# Altium PCB GN-1846-E-V2.PcbDoc (part 3 of 8) (continued)
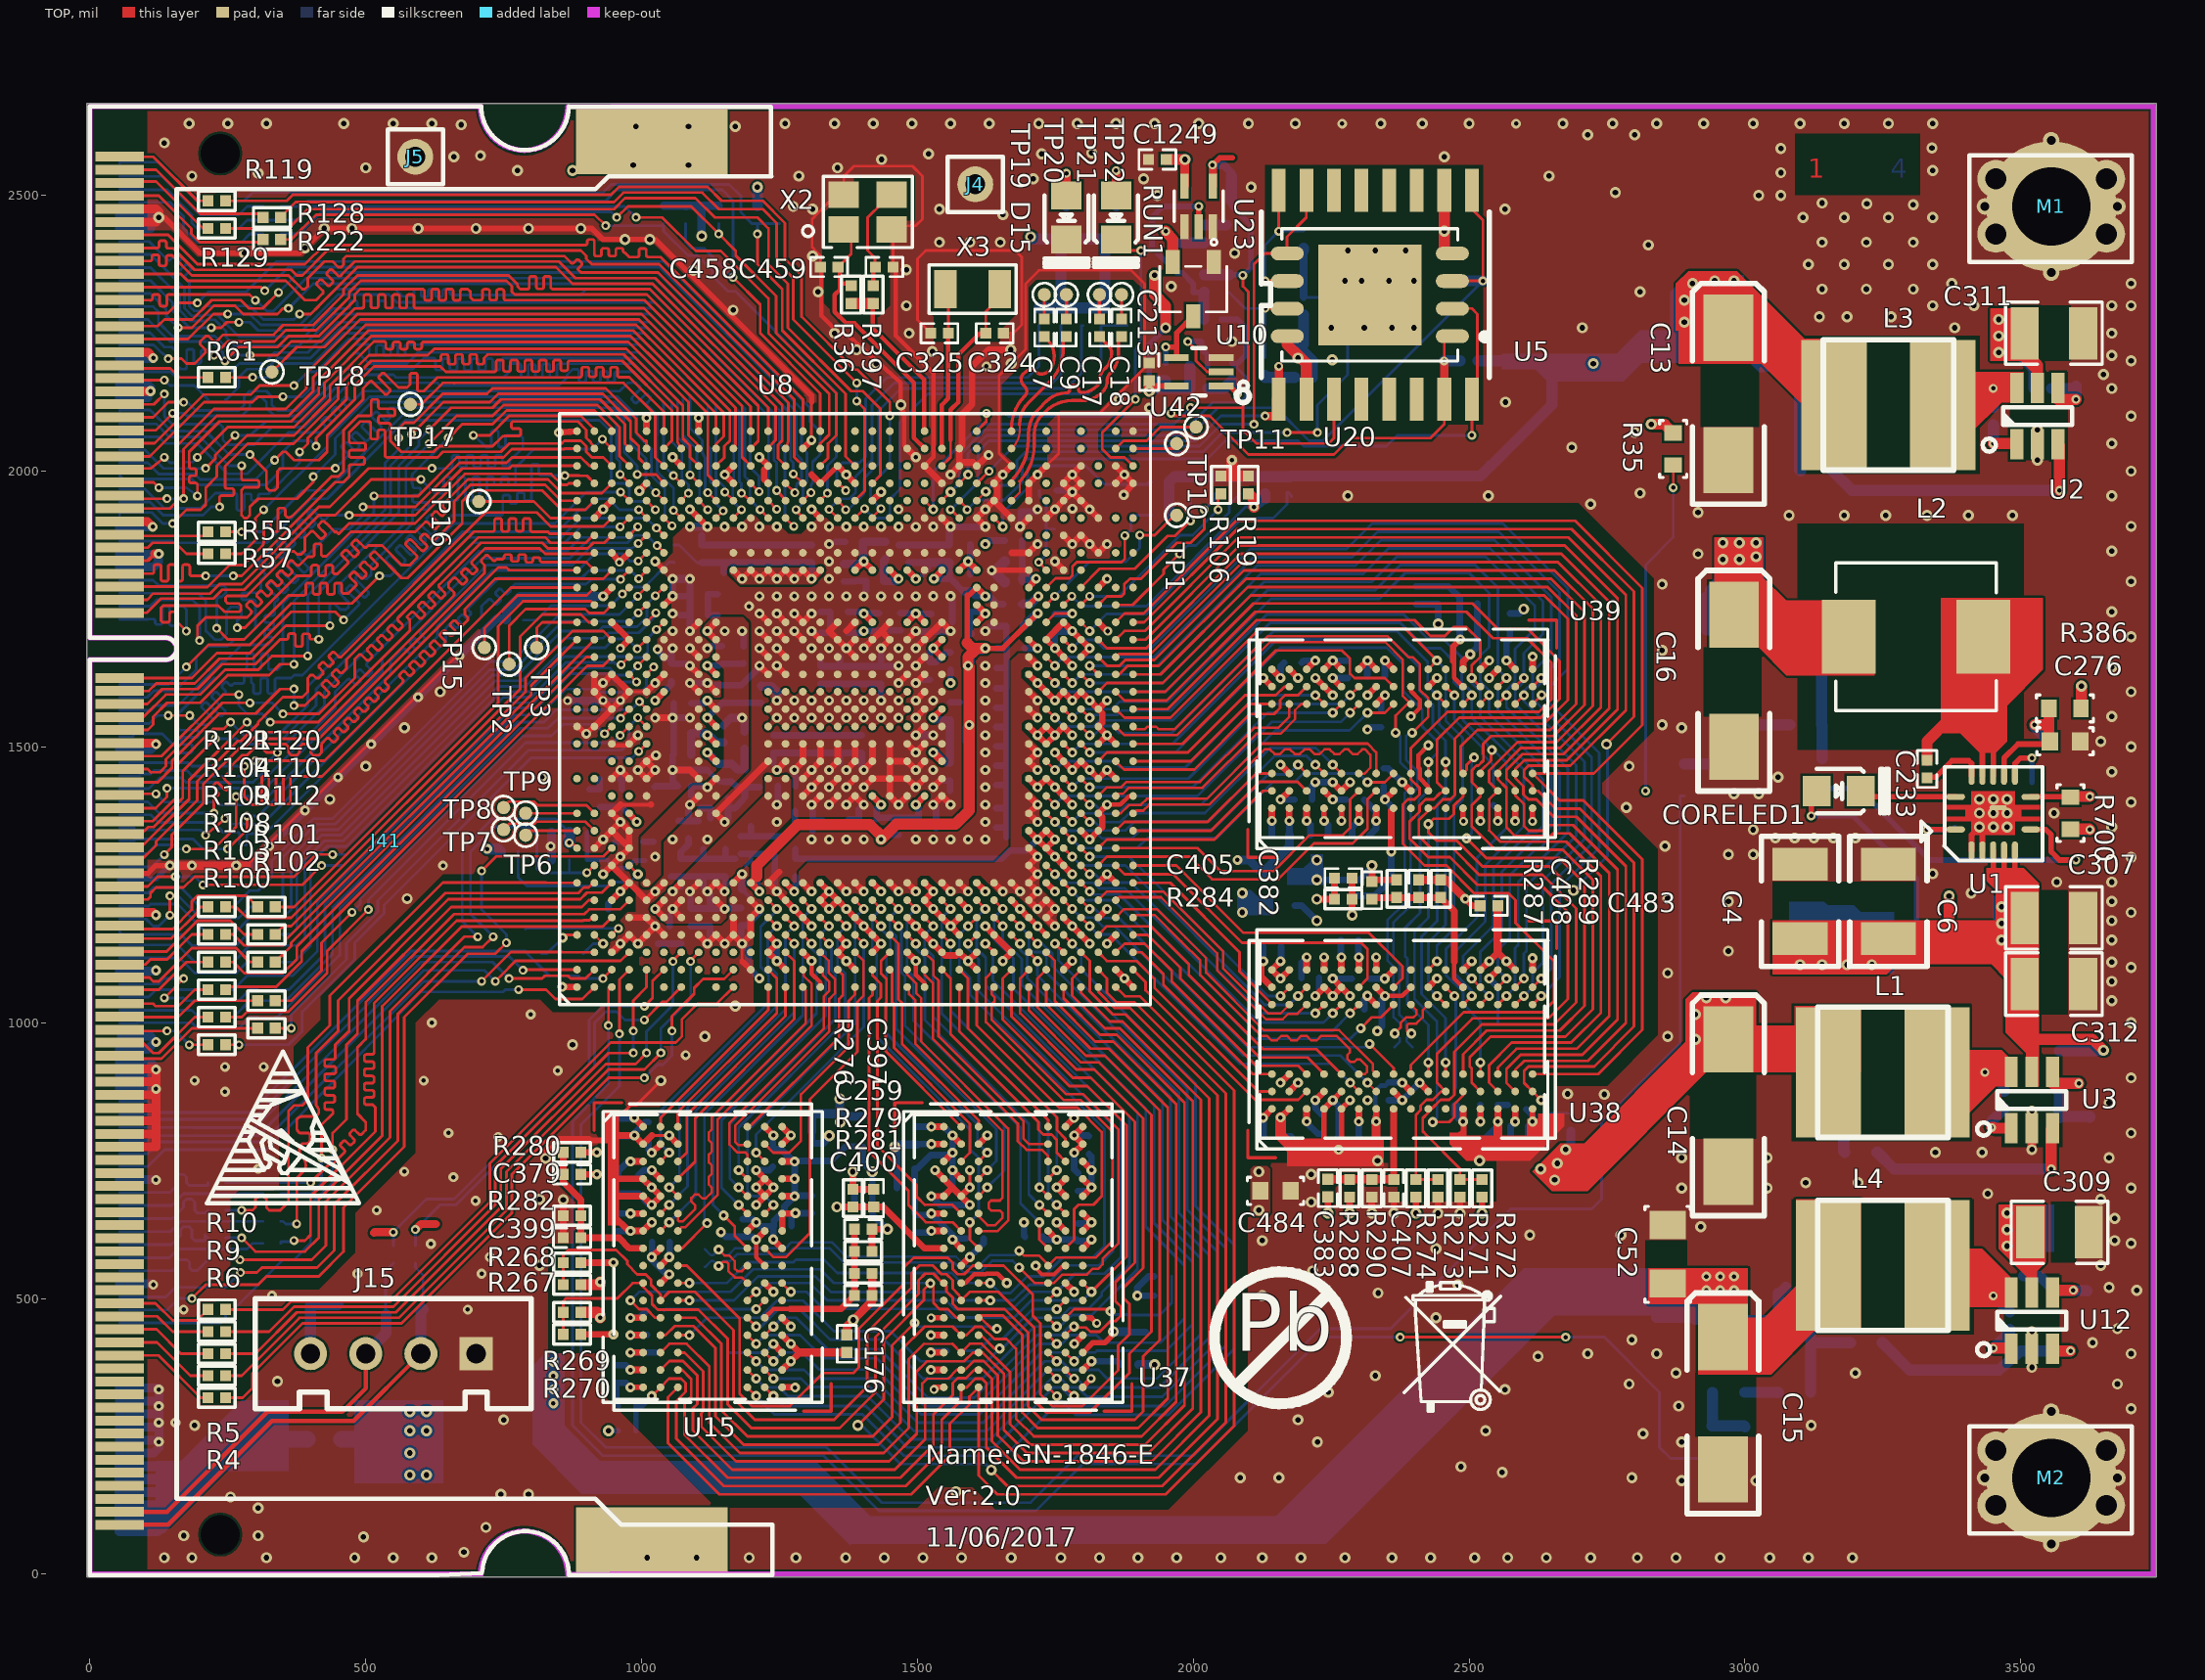
[diagram p0: TOP view]
## Nets (pads, with @x,y where several pads share a name; then routed paths per layer and width w, separated by ;. In a path a pad name is that pad's centre, name@x,y a point inside that pad or via, vN(x,y) a via of type N, cw(c..) or ccw(c..) an arc to the next point about the centre after c; other vN are vias at no path point) (continued)
DDR0_DQS1_P: U8.R2 U15.C7 | length 451
  TOP w4.5: U15.C7@1191.81,748.45 1191.81,761.19 1187.69,765.31 1173.18,765.31 1159.42,779.07 1159.42,818.42 1330,989 1330,1047.5 1340,1057.5 1340,1074.65 1328.5,1086.15 1328.5,1091.57 U8.R2@1323.96,1096.11
DDR0_DQS2_N: U8.Y2 U37.G3 | length 592
  TOP w4.5: U8.Y2@1481.44,1096.11 1481.44,1087.56 1497.68,1071.32 1497.68,1053.68 1506.86,1044.5 1506.86,965.99 1664.52,808.33 1664.52,641.51 1645.47,622.46 U37.G3@1610.83,622.46
DDR0_DQS2_P: U8.Y1 U37.F3 | length 589.8
  TOP w4.5: U8.Y1@1481.44,1064.61 1484.77,1061.28 1484.77,1051.74 1496.36,1040.15 1496.36,961.64 1654.02,803.98 1654.02,682.05 1649.52,677.55 1633.5,677.55 1629,673.05 1629,664.05 1633.5,659.55 1649.52,659.55 1654.02,655.05 1654.02,645.86 1641.12,632.96 1627.03,632.96 1610.83,649.16 U37.F3@1610.83,653.96
DDR0_DQS3_N: U8.AA3 U37.B7 | length 460.7
  TOP w4.5: U8.AA3@1512.93,1127.61 1528.68,1111.86 1528.68,1086.05 1538.38,1076.35 1538.38,975.46 1692.53,821.32 1692.51,798.21 1692.51,789.53 1702.1,779.94 U37.B7@1736.81,779.94
DDR0_DQS3_P: U8.AA2 U37.C7 | length 456.7
  TOP w4.5: U8.AA2@1512.93,1096.11 1512.93,1086.95 1527.88,1072 1527.88,971.11 1682.02,816.97 1682.01,798.21 1682.01,785.18 1697.75,769.44 1725.56,769.44 1736.81,758.19 U37.C7@1736.81,748.45
DDR0_ODT: R269.1 R270.2 U8.AH2 U15.K1 U37.K1 | length 2644.3
  TOP w5: R270.2@858,435 R269.1@858,475 858,495 863,500 956,500 983.98,527.98 U15.K1@1002.84,527.98 1002.84,521.16 1019,505 1019,490 1029,480 1102.81,480 1155.81,427 1155.81,308.19 1199,265 1359,265 1424,330 1424,430.22 1501.98,508.2 1501.98,532.98 1514,545 1528.99,545 1546.01,527.98 U37.K1@1547.84,527.98 1552.82,523 1552.82,512.48 1563.83,501.47 1563.83,490.17 1573.3,480.7 1658.3,480.7 1700.81,438.19 1700.81,304.19 1725,280 1894,280 1909,295 1909,395 1939,425 1939,840.99 1839.99,940 1805.61,940 1717.66,1027.95 1717.66,1080.37 U8.AH2@1733.41,1096.11
DDR0_RAS_N: U8.AG2 U15.J3 U37.J3 | length 2280.3
  TOP w5: U15.J3@1065.83,559.47 1081.96,559.48 1177.81,463.63 1177.81,327.19 1200,305 1269,305 1329,365 1384,365 1394,375 1394,445.19 1474,525.19 1474,555 1492.98,573.98 1554.83,573.98 1563.83,564.98 1563.83,552.98 1572.83,543.98 1584.83,543.98 1600.32,559.47 U37.J3@1610.83,559.47 1656.53,559.48 1709.01,507 1709.01,468.8 1722.81,455 1722.81,326.19 1744,305 1799,305 1864,370 1864,415 1884,435 1884,490 1874,500 1874,520 1909,555 1909,826.43 1820.43,915 1788.15,915 1686.16,1016.99 1686.16,1080.36 U8.AG2@1701.91,1096.11
DDR0_RESET_N: C471.1 R235.2 U8.AL1 U15.T2 U37.T2 | length 2485.1
  TOP w5: v1(1018.57,323.24) U15.T2@1034.33,339 1049.81,354.48 1071.85,354.48 1079.83,346.5 1079.83,330.84 1063,314.01 1063,246 1149,160 1479,160 1544,225 1544,280 1579.33,315.33 U37.T2@1579.33,339 1589.34,339 1604.82,354.48 1616.85,354.48 1624.83,346.5 1624.83,230.07 1679.9,175 1937.54,175 2044,281.46 2044,868.01 1885.01,1027 1856.99,1027 1827.89,1056.1 U8.AL1@1827.89,1064.61
  BOTTOM w10: R235.2@990,260 C471.1@990,305 1000.33,305 v1(1018.57,323.24)
DDR0_WE_N: U8.AD4 U15.L3 U37.L3 | length 1571.2
  TOP w5: U15.L3@1065.83,496.48 v1(1086.84,496.48) ; v1(1591.67,1143.36) U8.AD4@1607.42,1159.1 ; U37.L3@1610.83,496.48 v1(1631.84,496.48)
  BOTTOM w5: v1(1086.84,496.48) 1167.62,496.48 1211.12,539.98 1315.06,539.98 1343.46,511.58 1555.46,511.58 1570.56,496.48 v1(1631.84,496.48) 1674.33,496.48 1702.85,525 1734,525 1769,560 1829,560 1854,585 1854,814 1611,1057 1611,1115.1 1591.67,1134.43 v1(1591.67,1143.36)
DDR0_ZQ: R197.1 U8.N7 | length 50.4
  TOP w12: U8.N7@1260.97,1253.59 v1(1276.7,1237.85)
  BOTTOM w12: v1(1276.7,1237.85) 1279,1240.15 R197.1@1279,1265
DDR1_A0: U8.AH17 U38.N3 U39.N3 | length 1775
  TOP w5: U8.AH17@1733.41,1568.55 v1(1749.14,1552.81) ; U38.N3@2520.51,906.83 v1(2520.5,927.84) ; U39.N3@2520.51,1451.83 2520.51,1455.9 2539.65,1475.04 2539.65,1492.65 v1(2541.39,1494.39)
  BOTTOM w5: v1(1749.14,1552.81) 1764.95,1537 1819,1537 1830,1548 1962.33,1548 2139.33,1725 2375.22,1725 2421.22,1679 2448.34,1679 2471.98,1655.36 2471.98,1618.02 2488.98,1601.02 2488.98,1548.17 2533.95,1503.2 2533.95,1501.83 v1(2541.39,1494.39) ; v1(2520.5,927.84) 2520.5,1002.5 2489,1034 2489,1055.1 2457.98,1086.12 2457.98,1134.02 2514,1190.04 2514,1299 2567.8,1352.8 2567.8,1471.21 v1@2545.23,1493.78 ; v1(2541.39,1494.39) 2542,1493.78 v1@2545.23,1493.78 ; v1(2541.39,1494.39) v1@2545.23,1493.78
DDR1_A1: U8.AK19 U38.P7 U39.P7 | length 1826.2
  TOP w5: U8.AK19@1796.4,1631.54 v1(1812.14,1615.8) ; U38.P7@2552.01,1032.81 v1(2567.76,1048.57) ; U39.P7@2552.01,1577.81 v1(2567.76,1593.57)
  BOTTOM w5: v1(1812.14,1615.8) 1945.24,1615.8 2128.46,1799.02 2323.02,1799.02 2369,1845 2529.84,1845 2619,1755.84 2619,1713.14 2583.38,1677.52 2583.38,1663.14 2583.47,1631.56 2583.38,1618.38 2567.76,1602.76 v1(2567.76,1593.57) 2567.76,1571.68 2679,1460.44 2679,1345 2589,1255 2589,1141.04 2583.47,1135.51 2583.45,1105.01 2583.45,1064.26 v1(2567.76,1048.57)
DDR1_A2: U8.AM20 U38.P3 U39.P3 | length 2248.3
  TOP w4.5: 2567.7,1354.31 2567.7,1359.25 2567.75,1359.3 2567.75,1372.36 2567.7,1372.41 2567.7,1424.44
  TOP w5: U8.AM20@1859.39,1663.04 1864.71,1668.36 1922.36,1668.36 2089,1835 2660.88,1835 2739,1756.88 2739,1572.08 2664.73,1497.81 2593.47,1497.81 2552.01,1456.35 U39.P3@2552.01,1451.83 2552.01,1441.33 2567.7,1425.64 2567.7,1424.44 ; U38.P3@2552.01,906.83 2552.01,919.05 2585.77,952.81 2694.91,952.81 2754,1011.9 2754,1271.4 2682.13,1343.27 2652.27,1343.27 2647.5,1338.5 2583.51,1338.5 2567.7,1354.31
DDR1_A3: U8.AM19 U38.N2 U39.N2 | length 2323.9
  TOP w4: 2504.76,1356.08 2504.76,1394.06
  TOP w5: U8.AM19@1859.39,1631.54 1865.55,1631.54 1881.05,1647.04 1937.74,1647.04 2095.7,1805 2648.44,1805 2709,1744.44 2709,1576.04 2652.77,1519.81 2539.76,1519.81 2525.39,1505.44 2525.39,1487.76 2526,1487.15 2526,1475.28 2516.55,1465.83 2513.4,1465.83 2505.1,1457.53 2505.1,1435.7 ; 2504.76,1356.08 2547.58,1313.27 2669.69,1313.27 2724,1258.96 2724,1024.34 2674.47,974.81 2538.8,974.81 2501,937.01 2501,921 2504.8,917.2 2504.8,891.04 U38.N2@2520.51,875.33 ; 2504.76,1394.06 2520.51,1409.81 U39.N2@2520.51,1420.33 2505.14,1435.7
DDR1_A4: U8.AH19 U38.P8 U39.P8 | length 1813.3
  TOP w5: U8.AH19@1733.41,1631.54 v1(1749.14,1615.8) ; U38.P8@2552.01,1064.31 v1(2567.75,1080.05) ; U39.P8@2552.01,1609.31 v1(2567.75,1625.05)
  BOTTOM w5: v1(1749.14,1615.8) 1764.89,1600.05 1950.71,1600.05 2134.68,1784.02 2329.24,1784.02 2375.22,1830 2511,1830 2551.98,1789.02 2551.98,1640.82 v1(2567.75,1625.05) 2552,1609.3 2552,1566.14 2664,1454.14 2664,1351.22 2627.78,1315 2621.66,1315 2574,1267.34 2574,1154.04 2551.95,1131.99 2551.95,1095.85 v1(2567.75,1080.05)
DDR1_A5: U8.AL20 U38.P2 U39.P2 | length 2318.8
  TOP w4.5: 2536.3,1348.7 2536.3,1359.25 2536.25,1372.36 2536.3,1404.62
  TOP w5: U8.AL20@1827.89,1663.04 1843.93,1647 1866,1647 1876.7,1657.7 1929.3,1657.7 2091.6,1820 2654.66,1820 2724,1750.66 2724,1574.06 2658.75,1508.81 2587.47,1508.81 2536.02,1457.36 2536.02,1436.32 U39.P2@2552.01,1420.33 2536.3,1404.62 ; 2536.3,1348.7 2556.73,1328.27 2675.91,1328.27 2739,1265.18 2739,1018.12 2684.69,963.81 2577,963.81 2536.02,922.83 2536.02,891.32 U38.P2@2552.01,875.33
DDR1_A6: U8.AJ19 U38.R8 U39.R8 | length 1851
  TOP w5: U8.AJ19@1764.9,1631.54 v1(1780.64,1615.8) ; U38.R8@2583.5,1064.31 v1(2599.24,1080.05) ; U39.R8@2583.5,1609.31 v1(2599.24,1625.05)
  BOTTOM w5: v1(1780.64,1615.8) 1796.34,1631.5 1939.72,1631.5 2122.24,1814.02 2308.02,1814.02 2354,1860 2538.24,1860 2634,1764.24 2634,1704.91 2599.24,1670.15 v1(2599.24,1625.05) 2599.24,1618.28 2583.56,1602.6 2583.56,1577.58 2694,1467.14 2694,1338.78 2604,1248.78 2604,1130.04 2599.24,1125.28 v1(2599.24,1080.05)
DDR1_A7: U8.AL21 U38.R2 U39.R2 | length 2348.3
  TOP w4.5: 2599.25,1356.75 2599.25,1396.6
  TOP w5: U8.AL21@1827.89,1694.53 1843.4,1679.02 1914.84,1679.02 2085.82,1850 2667.1,1850 2754,1763.1 2754,1570.1 2670.71,1486.81 2596.62,1486.81 2567.52,1457.71 2567.52,1443.33 2583.5,1427.35 U39.R2@2583.5,1420.33 2583.5,1412.35 2599.25,1396.6 ; U38.R2@2583.5,875.33 2567.52,891.31 2567.52,915.82 2593.51,941.81 2705.13,941.81 2769,1005.68 2769,1277.62 2688.35,1358.27 2644.27,1358.27 2634,1348 2608,1348 2599.25,1356.75
DDR1_A8: U8.AH20 U38.T8 U39.T8 | length 1929.6
  TOP w5: U8.AH20@1733.41,1663.04 v1(1749.14,1647.3) ; U38.T8@2615,1064.31 v1(2630.74,1080.05) ; U39.T8@2615,1609.31 v1(2630.74,1625.05)
  BOTTOM w5: v1(1749.14,1647.3) 1764.64,1662.8 1787.09,1662.8 1928.56,1662.78 2109.8,1844.02 2288.02,1844.02 2334,1890 2553.76,1890 2664,1779.76 2664,1658.31 v1(2630.74,1625.05) 2630.74,1616.78 2615.45,1601.49 2615.45,1587.46 2722,1480.91 2722,1324.34 2649,1251.34 2649,1098.31 v1(2630.74,1080.05)
DDR1_A9: U8.AN21 U38.R3 U39.R3 | length 2239.1
  TOP w5: U8.AN21@1890.89,1694.53 1913.37,1694.53 2083.84,1865 2673.32,1865 2769,1769.32 2769,1568.12 2676.71,1475.83 2599.79,1475.83 2583.5,1459.54 U39.R3@2583.5,1451.83 2583.5,1443.84 2598.52,1428.82 2598.52,1413.82 2607.51,1404.83 2621.78,1404.83 2653.33,1373.27 2694.57,1373.27 2784,1283.84 2784,999.46 2715.37,930.83 2599.79,930.83 2583.5,914.54 U38.R3@2583.5,906.83
DDR1_A10: U8.AK16 U38.L7 U39.L7 | length 1443.5
  TOP w5: U8.AK16@1796.4,1537.05 v1(1812.14,1521.31) ; v1(2441.78,1048.57) U38.L7@2457.52,1032.81 ; v1(2441.78,1593.57) U39.L7@2457.52,1577.81
  BOTTOM w5: v1(1812.14,1521.31) 1819.31,1521.31 1836,1538 1853,1538 1866,1525 1960.55,1525 2145.55,1710 2369,1710 2424.98,1654.02 2424.98,1610.37 v1(2441.78,1593.57) 2445.98,1589.37 2445.98,1541.02 2473.51,1513.49 2473.51,1408.81 2457.42,1392.72 2457.42,1177.46 2426.02,1146.06 2426.02,1064.33 v1(2441.78,1048.57)
DDR1_A11: U8.AL19 U38.R7 U39.R7 | length 1875.4
  TOP w5: v1(1812.15,1647.28) U8.AL19@1827.89,1631.54 ; U38.R7@2583.5,1032.81 v1(2599.26,1048.57) ; U39.R7@2583.5,1577.81 v1(2599.26,1593.57)
  BOTTOM w5: v1(1812.15,1647.28) 1934.28,1647.28 2116.02,1829.02 2294.24,1829.02 2340.22,1875 2545.64,1875 2649,1771.64 2649,1670.24 2614.98,1636.22 2614.98,1617.02 2599.26,1601.3 v1(2599.26,1593.57) 2599.26,1583.16 2709,1473.42 2709,1332.56 2634,1257.56 2634,1109.04 2614.98,1090.02 2614.98,1064.29 v1(2599.26,1048.57)
DDR1_A12: U8.AJ17 U38.N7 U39.N7 | length 1800.1
  TOP w5: U8.AJ17@1764.9,1568.55 v1(1780.64,1552.81) ; U38.N7@2520.51,1032.81 v1(2536.26,1048.57) ; U39.N7@2520.51,1577.81 v1(2536.26,1593.57)
  BOTTOM w5: v1(1780.64,1552.81) 1796.35,1568.52 1853,1568.52 1866.48,1582 1953.88,1582 2140.41,1768.53 2337.53,1768.53 2384,1815 2500.34,1815 2535.98,1779.36 2535.98,1681.02 2520.48,1665.52 2520.48,1618.52 2536.26,1602.74 v1(2536.26,1593.57) 2536.26,1560.28 2649,1447.54 2649,1356.22 2622.78,1330 2615.44,1330 2559,1273.56 2559,1167.04 2520.46,1128.5 2520.46,1064.37 v1(2536.26,1048.57)
DDR1_A13: U8.AM22 U38.T3 U39.T3 | length 2369.8
  TOP w5: U8.AM22@1859.39,1726.03 1875.36,1742 1909.9,1742 2077.9,1910 2691.98,1910 2814,1787.98 2814,1540 2725.83,1451.83 U39.T3@2615,1451.83 2663.56,1403.27 2707.01,1403.27 2814,1296.28 2814,987.02 2733.81,906.83 U38.T3@2615,906.83
DDR1_A14: U8.AJ21 U38.T7 U39.T7 | length 1966.3
  TOP w5: U8.AJ21@1764.9,1694.53 v1(1780.64,1678.79) ; U38.T7@2615,1032.81 v1(2630.76,1048.57) ; U39.T7@2615,1577.81 v1(2631.15,1593.97)
  BOTTOM w5: v1(1780.64,1678.79) 1796.14,1694.29 1822,1694.29 1837.29,1679 1923.56,1679 2103.58,1859.02 2278.02,1859.02 2324,1905 2561,1905 2679,1787 2679,1641.82 v1(2631.15,1593.97) 2736,1489.12 2736,1317 2664,1245 2664,1081.81 v1(2630.76,1048.57)
DDR1_A15: U8.AK17 U38.M7 U39.M7 | length 1576.9
  TOP w5: U8.AK17@1796.4,1568.55 v1(1812.14,1552.81) ; U38.M7@2489.02,1032.81 v1(2504.76,1048.57) ; U39.M7@2489.02,1577.81 v1(2504.76,1593.57)
  BOTTOM w5: v1(1812.14,1552.81) 1817.33,1558 1862,1558 1870,1566 1959.11,1566 2133.11,1740 2381.44,1740 2425.44,1696 2453,1696 2486.38,1662.62 2486.38,1617.96 2504.76,1599.58 v1(2504.76,1593.57) 2504.76,1553.24 2599.2,1458.8 2599.2,1356.2 2529,1286 2529,1183.04 2472.98,1127.02 2472.98,1089.52 2504.76,1057.74 v1(2504.76,1048.57)
DDR1_BA0: U8.AN22 U38.M2 U39.M2 | length 2704.4
  TOP w5: U8.AN22@1890.89,1726.03 1910.91,1726.03 2079.88,1895 2685.76,1895 2799,1781.76 2799,1554.97 v2(2749,1504.97) ; v1(2434,820) 2464,820 2473.27,829.27 2473.27,852.27 2489.02,868.02 U38.M2@2489.02,875.33 ; U39.M2@2489.02,1420.33 2489.02,1410.32 2472.52,1393.82 2472.52,1378.52 2464,1370 2436.02,1370 v1(2426.02,1360) 2426.02,1345 2441.02,1330 2477.47,1330 2524.2,1283.27 2645.73,1283.27 v2(2689,1240)
  BOTTOM w5: v1(2426.02,1360) 2426.02,1190.06 2400.98,1165.02 2400.98,1043.02 2441.72,1002.28 2441.72,827.72 v1(2434,820) ; v2(2689,1240) 2751,1302.01 2751,1502.97 v2(2749,1504.97)
DDR1_BA1: U8.AN17 U38.N8 U39.N8 | length 1515.4
  TOP w5: U8.AN17@1890.89,1568.55 1953.17,1568.55 2114.62,1730 2401,1730 2430,1701 2455.96,1701 2471.96,1717 2495,1717 2519.98,1692.02 2519.98,1662.98 2504.76,1647.76 v1(2504.76,1625.07) U39.N8@2520.51,1609.31 ; v1(2504.76,1080.07) U38.N8@2520.51,1064.31
  BOTTOM w5: v1(2504.76,1080.07) 2488.98,1095.85 2488.98,1121.02 2544,1176.04 2544,1279.78 2609.22,1345 2622,1345 2634,1357 2634,1440.94 2520.48,1554.46 2520.48,1600.52 2504.76,1616.24 v1(2504.76,1625.07)
DDR1_BA2: U8.AN19 U38.M3 U39.M3 | length 2293.8
  TOP w5: U8.AN19@1890.89,1631.54 1940.54,1631.54 2099,1790 2642.22,1790 2694,1738.22 2694,1578.02 2646.79,1530.81 2514.81,1530.81 2485,1501 2485,1455.85 U39.M3@2489.02,1451.83 2495.6,1458.41 2495.6,1467.51 v1(2509,1480.91) ; U38.M3@2489.02,906.83 2489.02,943.03 2531.8,985.81 2664.25,985.81 2709,1030.56 2709,1252.74 2663.47,1298.27 2531.42,1298.27 v1(2495.34,1334.35)
  BOTTOM w5: v1(2495.34,1334.35) 2504.71,1343.72 2504.71,1476.62 v1(2509,1480.91)
DDR1_CAS_N: U8.AK15 U38.K3 U39.K3 | length 1514.9
  TOP w5: U8.AK15@1796.4,1505.56 v1(1812.14,1489.82) ; U38.K3@2426.02,906.83 v1(2426.02,927.84) ; U39.K3@2426.02,1451.83 v1(2426.02,1472.84)
  BOTTOM w5: v1(1812.14,1489.82) 1967.82,1489.82 2158,1680 2351,1680 2379.98,1651.02 2379.98,1602.02 2415,1567 2415,1537 2442,1510 2442,1488.82 v1(2426.02,1472.84) 2426.02,1421.06 2409,1404.04 2409,1339.07 2411.02,1337.05 2411.02,1199.06 2383.98,1172.02 2383.98,1120.42 2387.98,1116.42 2387.98,1034.02 2426.02,995.98 v1(2426.02,927.84)
DDR1_CKE: U8.AM17 U38.K9 U39.K9 | length 1308.6
  TOP w5: U8.AM17@1859.39,1568.55 1875.14,1552.8 1958.64,1552.8 2120.84,1715 2383.31,1715 v1(2441.76,1656.55) U39.K9@2426.02,1640.8 ; U38.K9@2426.02,1095.8 v1(2441.76,1111.55)
  BOTTOM w5: v1(2441.76,1111.55) 2441.76,1139.8 2472.89,1170.93 2472.89,1388.19 2488.52,1403.82 2488.52,1516.48 2457.57,1547.43 2457.57,1640.74 v1(2441.76,1656.55)
DDR1_CLK0_N: R293.2 U8.AN16 U38.K7 U39.K7 | length 1466.2
  TOP w4.5: U8.AN16@1890.89,1537.05 1896.14,1531.8 1911.56,1531.8 1916.76,1537 1932.56,1537 1937.76,1531.8 1965.95,1531.8 2134.65,1700.5 2352.35,1700.5 2390.02,1662.83 2398.02,1662.83 2410.52,1650.33 2410.52,1603.82 2426.02,1588.32 U39.K7@2426.02,1577.81 2426.02,1554.82 v1(2396.78,1525.58) ; v1(2395.28,980.58) 2391.78,980.58 2387.52,984.84 2387.52,995.06 2390.79,998.33 2404.29,998.33 2416.02,1010.06 2416.02,1022.81 U38.K7@2426.02,1032.81
  BOTTOM w4.5: v1(2396.78,1525.58) 2391.78,1525.58 2385.52,1519.32 2385.52,1476.77 2406.12,1456.17 2406.12,1424.17 2394,1412.05 2394,1212.75 2362.52,1181.27 2362.52,1117.07 2373.62,1105.97 2373.62,1014.27 2385.93,1001.96 2385.93,989.93 v1(2395.28,980.58) 2387.04,972.34 2387.04,965.96 R293.2@2396.98,956.02
DDR1_CLK0_P: R293.1 U8.AM16 U38.J7 U39.J7 | length 1466.8
  TOP w4.5: U8.AM16@1859.39,1537.05 1875.14,1521.3 1970.3,1521.3 2139,1690 2348,1690 2379.52,1658.48 2379.52,1592.8 U39.J7@2394.53,1577.81 2387.8,1577.8 2366.78,1556.78 v1(2366.78,1525.58) ; v1(2365.28,980.58) 2376.02,991.32 2376.02,999.83 2386.02,1009.83 2399.52,1009.83 2404.52,1014.83 2404.52,1022.82 U38.J7@2394.53,1032.81
  BOTTOM w4.5: R293.1@2364.98,956.02 2374.22,965.26 2374.22,971.64 v1(2365.28,980.58) 2375.43,990.73 2375.43,997.61 2363.12,1009.92 2363.12,1101.62 2352.02,1112.72 2352.02,1185.62 2383.5,1217.1 2383.5,1416.4 2395.62,1428.52 2395.62,1451.82 2375.02,1472.42 2375.02,1519.34 2368.78,1525.58 v1(2366.78,1525.58)
DDR1_CS_N: R273.1 R274.2 U8.AN18 U38.L2 U39.L2 | length 2515.2
  TOP w4.5: 2441.77,1436.08 2441.77,1512.77
  TOP w5: U8.AN18@1890.89,1600.05 1944,1600.04 1949.04,1600.04 2109,1760 2506,1760 2551.98,1714.02 2605.98,1714.02 2664,1656 2664,1587 2629.81,1552.81 2481.81,1552.81 2441.77,1512.77 ; 2441.77,1436.08 U39.L2@2457.52,1420.33 2447.1,1415.91 2436.02,1404.83 2421.02,1404.83 2409.98,1393.79 2409.98,1382.48 2392.11,1364.61 2392.11,1333.75 2425.86,1300 2465.03,1300 2515.03,1250 2629.78,1250 2678.98,1200.8 2678.98,1042.98 2643.81,1007.81 2505.81,1007.81 2441.77,943.77 2441.77,891.08 U38.L2@2457.52,875.33 2449.33,875.33 2434,860 2422.38,860 2412.02,849.64 2412.02,841.53 2403.48,832.99 R274.2@2403.48,715.62 R273.1@2443.48,715.62
DDR1_DM0: U8.AH8 U38.E7 | length 666.3
  TOP w5: U8.AH8@1733.41,1285.09 v1(1749.14,1269.34) ; v1(2252.79,1017.08) U38.E7@2268.54,1032.81
  BOTTOM w5: v1(1749.14,1269.34) 1764.89,1253.59 1819.41,1253.59 1829.7,1243.3 1876.36,1243.3 2119.04,1000.62 2236.33,1000.62 v1(2252.79,1017.08)
DDR1_DM1: U8.AN4 U38.D3 | length 462
  TOP w5: U8.AN4@1890.89,1159.1 1917.34,1159.1 1976.59,1099.85 1976.59,1080.48 2120.1,936.97 2206.92,936.97 U38.D3@2237.05,906.83
DDR1_DM2: U8.AK13 U39.E7 | length 541.2
  TOP w5: U8.AK13@1796.4,1442.57 v1(1812.14,1426.82) ; v1(2252.79,1562.08) U39.E7@2268.54,1577.81
  BOTTOM w5: v1(1812.14,1426.82) 1999.15,1426.82 2134.41,1562.08 v1(2252.79,1562.08)
DDR1_DM3: U8.AK11 U39.D3 | length 522.8
  TOP w5: U8.AK11@1796.4,1379.57 v1(1812.14,1363.83) ; v1(2221.31,1467.59) U39.D3@2237.05,1451.83
  BOTTOM w5: v1(1812.14,1363.83) 1821.17,1363.83 1836.29,1348.71 1877.71,1348.71 1894,1365 1936.77,1365 2028.59,1364.99 2147.6,1484 2204.9,1484 v1(2221.31,1467.59)
DDR1_DQ0: U8.AL4 U38.E3 | length 569.5
  TOP w5: U8.AL4@1827.89,1159.1 1843.64,1174.85 1922.81,1174.85 1992,1105.66 1992,1086.29 2126.29,952 2223.37,952 U38.E3@2268.54,906.83
DDR1_DQ1: U8.AK7 U38.F7 | length 634.2
  TOP w5: U8.AK7@1796.4,1253.59 v1(1812.14,1237.85) ; v1(2284.29,1017.06) U38.F7@2300.04,1032.81
  BOTTOM w5: v1(1812.14,1237.85) 1817.69,1232.3 1866.14,1232.3 2112.82,985.62 2252.85,985.62 v1(2284.29,1017.06)
DDR1_DQ2: U8.AK5 U38.F2 | length 634.2
  TOP w5: U8.AK5@1796.4,1190.6 v1(1812.14,1174.86) ; v1(2284.31,891.08) U38.F2@2300.04,875.33
  BOTTOM w5: v1(1812.14,1174.86) 1827,1160 1850,1160 2084.38,925.62 2249.77,925.62 v1(2284.31,891.08)
DDR1_DQ3: U8.AM8 U38.F8 | length 594.7
  TOP w4.5: 2315.8,1080.07 2315.8,1133.2
  TOP w5: U8.AM8@1859.39,1285.09 1875.13,1269.34 1963.68,1269.34 2088.2,1144.82 2304.18,1144.82 2315.8,1133.2 ; U38.F8@2300.04,1064.31 2315.8,1080.07
DDR1_DQ4: U8.AK6 U38.H3 | length 708.8
  TOP w5: U8.AK6@1796.4,1222.09 v1(1812.14,1206.35) ; v1(2319.48,961.62) 2363.03,918.07 U38.H3@2363.03,906.83
  BOTTOM w5: v1(1812.14,1206.35) 1821.65,1206.35 1838.2,1189.8 1865.2,1189.8 2099.38,955.62 2313.48,955.62 v1(2319.48,961.62)
DDR1_DQ5: U8.AN8 U38.H8 | length 608.5
  TOP w5: U8.AN8@1890.89,1285.09 1969.15,1285.09 2091.22,1163.02 2318.32,1163.02 2379.02,1102.32 2379.02,1080.3 U38.H8@2363.03,1064.31
DDR1_DQ6: U8.AJ6 U38.G2 | length 710.3
  TOP w4: v1(2315.81,891.08) U38.G2@2331.54,875.33
  TOP w5: U8.AJ6@1764.9,1222.09 v1(1780.64,1206.35)
  BOTTOM w5: v1(1780.64,1206.35) 1796.39,1190.6 1819.8,1190.6 1835.54,1174.86 1857.14,1174.86 2091.38,940.62 2266.27,940.62 v1(2315.81,891.08)
DDR1_DQ7: U8.AJ7 U38.H7 | length 741.1
  TOP w5: U8.AJ7@1764.9,1253.59 v1(1780.64,1237.85) ; v1(2303.52,989.82) 2323.52,1009.82 2340.03,1009.82 U38.H7@2363.03,1032.81
  BOTTOM w5: v1(1780.64,1237.85) 1796.49,1222 1855.22,1222 2106.6,970.62 2284.32,970.62 v1(2303.52,989.82)
DDR1_DQ8: U8.AK8 U38.D7 | length 558.2
  TOP w5: U8.AK8@1796.4,1285.09 v1(1812.14,1269.34) ; v1(2221.3,1017.06) U38.D7@2237.05,1032.81
  BOTTOM w5: v1(1812.14,1269.34) 1821.69,1269.34 1837.2,1253.83 1887.05,1253.83 2123.82,1017.06 v1(2221.3,1017.06)
DDR1_DQ9: U8.AM3 U38.C3 | length 462
  TOP w5: U8.AM3@1859.39,1127.61 1875.13,1143.35 1911.87,1143.35 1960.9,1094.32 1960.9,1074.95 2113.88,921.97 2190.43,921.97 U38.C3@2205.55,906.83
DDR1_DQ10: U8.AJ9 U38.C8 | length 571.4
  TOP w5: U8.AJ9@1764.9,1316.58 v1(1780.64,1300.84) ; v1(2189.8,1048.57) U38.C8@2205.55,1064.31
  BOTTOM w5: v1(1780.64,1300.84) 1796.48,1285 1877.1,1285 2129.48,1032.62 2173.85,1032.62 v1(2189.8,1048.57)
DDR1_DQ11: U8.AN2 U38.C2 | length 427.5
  TOP w5: U8.AN2@1890.89,1096.11 1913.54,1073.47 1913.54,1058.65 2112.19,860 2190.22,860 U38.C2@2205.55,875.33
DDR1_DQ12: U8.AN7 U38.A7 | length 364.5
  TOP w5: U8.AN7@1890.89,1253.59 1958.21,1253.59 2084,1127.8 2084,1093 2142.56,1034.44 U38.A7@2142.56,1032.81
DDR1_DQ13: U8.AL3 U38.A2 | length 428.3
  TOP w5: U8.AL3@1827.89,1127.61 1843.63,1111.86 1897.15,1111.86 1929.8,1079.21 1929.8,1063.61 2118.08,875.33 U38.A2@2142.56,875.33
DDR1_DQ14: U8.AK9 U38.B8 | length 495.2
  TOP w5: U8.AK9@1796.4,1316.58 v1(1812.14,1300.84) ; v1(2158.31,1048.55) U38.B8@2174.06,1064.31
  BOTTOM w5: v1(1812.14,1300.84) 1883.16,1300.84 2135.43,1048.57 v1(2158.31,1048.55)
DDR1_DQ15: U8.AN3 U38.A3 | length 354.5
  TOP w5: U8.AN3@1890.89,1127.61 1906.39,1127.61 1945.9,1088.1 1945.9,1068.73 2107.8,906.83 U38.A3@2142.56,906.83
DDR1_DQ16: U8.AJ11 U39.E3 | length 598
  TOP w5: U8.AJ11@1764.9,1379.57 v1(1780.64,1363.83) ; v1(2252.8,1467.57) U39.E3@2268.54,1451.83
  BOTTOM w5: v1(1780.64,1363.83) 1796.34,1379.53 1822,1379.53 1837.82,1363.71 1867.71,1363.71 1883.99,1379.99 2021.18,1379.99 2139.21,1498.02 2222.35,1498.02 v1(2252.8,1467.57)
DDR1_DQ17: U8.AH12 U39.F7 | length 648.7
  TOP w5: U8.AH12@1733.41,1411.07 v1(1749.14,1395.33) ; v1(2284.29,1562.07) U39.F7@2300.04,1577.81
  BOTTOM w5: v1(1749.14,1395.33) 1764.88,1411.07 2007.7,1411.07 2141.95,1545.32 2267.54,1545.32 v1(2284.29,1562.07)
DDR1_DQ18: U8.AM9 U39.F2 | length 548.1
  TOP w4.5: 2284.28,1353.28 2284.28,1404.57
  TOP w5: U8.AM9@1859.39,1316.58 2007.41,1316.58 2048.99,1275 2145.99,1275 2210.81,1339.82 2270.82,1339.82 2284.28,1353.28 ; 2284.28,1404.57 U39.F2@2300.04,1420.33
DDR1_DQ19: U8.AJ13 U39.F8 | length 617.3
  TOP w5: U8.AJ13@1764.9,1442.57 v1(1780.64,1426.82) ; v1(2284.29,1593.57) U39.F8@2300.04,1609.31
  BOTTOM w5: v1(1780.64,1426.82) 1796.35,1442.53 1991.24,1442.53 2126.53,1577.82 2268.54,1577.82 v1(2284.29,1593.57)
DDR1_DQ20: U8.AJ10 U39.H3 | length 680.3
  TOP w5: U8.AJ10@1764.9,1348.08 v1(1780.64,1332.34) ; v1(2315.79,1436.09) 2347.29,1436.09 U39.H3@2363.03,1451.83
  BOTTOM w5: v1(1780.64,1332.34) 1796.43,1316.55 1898.55,1316.55 1916.99,1334.99 2042.85,1334.99 2144.88,1437.02 2183.98,1437.02 2198.85,1451.89 2246.27,1451.89 2300.01,1451.87 v1(2315.79,1436.09)
DDR1_DQ21: U8.AN15 U39.H8 | length 585.4
  TOP w5: U8.AN15@1890.89,1505.56 1980.56,1505.56 2150,1675 2269,1675 2283.98,1660.02 2283.98,1633.02 2292,1625 2347.34,1625 U39.H8@2363.03,1609.31
DDR1_DQ22: U8.AL8 U39.G2 | length 624.4
  TOP w4.5: 2315.78,1351.78 2315.78,1404.57
  TOP w5: U8.AL8@1827.89,1285.09 1843.63,1300.83 1993.17,1300.83 2034,1260 2153.99,1260 2218.81,1324.82 2288.82,1324.82 2315.78,1351.78 ; 2315.78,1404.57 U39.G2@2331.54,1420.33
DDR1_DQ23: U8.AK12 U39.H7 | length 662.5
  TOP w5: U8.AK12@1796.4,1411.07 v1(1812.14,1395.33) ; v1(2315.79,1562.07) 2347.29,1562.07 U39.H7@2363.03,1577.81
  BOTTOM w5: v1(1812.14,1395.33) 1821.67,1395.33 1838.29,1378.71 1862.71,1378.71 1879,1395 2014,1394.99 2148.83,1529.82 2283.54,1529.82 v1(2315.79,1562.07)
DDR1_DQ24: U8.AH14 U39.D7 | length 581.9
  TOP w5: U8.AH14@1733.41,1474.06 v1(1749.14,1458.32) ; v1(2221.31,1593.56) U39.D7@2237.05,1577.81
  BOTTOM w5: v1(1749.14,1458.32) 1764.89,1474.07 1856.45,1474.07 1867.52,1463 1985.79,1463 2116.35,1593.56 v1(2221.31,1593.56)
DDR1_DQ25: U8.AH11 U39.C3 | length 553.1
  TOP w5: U8.AH11@1733.41,1379.57 v1(1749.14,1363.83) ; v1(2189.81,1467.58) U39.C3@2205.55,1451.83
  BOTTOM w5: v1(1749.14,1363.83) 1764.89,1348.08 1820.45,1348.08 1834.82,1333.71 1888.71,1333.71 1904.99,1349.99 2035.74,1349.99 2135.75,1450 2172.23,1450 v1(2189.81,1467.58)
DDR1_DQ26: U8.AM14 U39.C8 | length 422.8
  TOP w5: U8.AM14@1859.39,1474.06 1874.39,1459.06 2001.92,1459.06 2102.48,1559.62 2146.48,1559.62 2157.48,1570.62 2157.48,1584.62 2166.43,1593.57 2189.8,1593.57 U39.C8@2205.55,1609.31
DDR1_DQ27: U8.AN10 U39.C2 | length 358.3
  TOP w5: U8.AN10@1890.89,1348.08 2031.93,1348.07 2120.69,1436.83 2189.06,1436.83 U39.C2@2205.55,1420.33
DDR1_DQ28: U8.AN14 U39.A7 | length 294.6
  TOP w5: U8.AN14@1890.89,1474.06 1995.7,1474.06 2099.46,1577.82 U39.A7@2142.56,1577.81
DDR1_DQ29: U8.AL9 U39.A2 | length 357.6
  TOP w5: U8.AL9@1827.89,1316.58 1843.64,1332.33 2038.19,1332.33 2126.19,1420.33 U39.A2@2142.56,1420.33
DDR1_DQ30: U8.AL14 U39.B8 | length 402.2
  TOP w5: U8.AL14@1827.89,1474.06 1843.64,1489.81 1990.23,1489.81 2094.04,1593.62 2149.48,1593.62 2165.17,1609.31 U39.B8@2174.06,1609.31
DDR1_DQ31: U8.AM10 U39.A3 | length 326.1
  TOP w5: U8.AM10@1859.39,1348.08 1875.13,1363.82 2025.68,1363.82 2113.69,1451.83 U39.A3@2142.56,1451.83
DDR1_DQS0_N: U8.AM5 U38.G3 | length 625
  TOP w4.5: U8.AM5@1859.39,1190.6 1874.79,1206 1934.27,1206 1985.78,1154.49 2023.2,1117.08 2023.2,1090.8 2127.37,986.63 2263.97,986.63 2325.72,924.88 2325.72,912.65 U38.G3@2331.54,906.83
DDR1_DQS0_P: U8.AN5 U38.F3 | length 622.6
  TOP w4.5: U8.AN5@1890.89,1190.6 1895.79,1195.5 1929.92,1195.5 1978.35,1147.06 2012.7,1112.72 2012.7,1086.45 2123.02,976.13 2133.59,976.13 2141.72,968 2151.59,968 2159.72,976.13 2169.59,976.13 2177.72,968 2187.59,968 2195.72,976.13 2205.59,976.13 2213.72,968 2223.59,968 2231.72,976.13 2259.62,976.13 2283.53,952.22 2283.53,945.86 2279.03,941.35 2279.03,934.99 2285.4,928.62 2291.76,928.62 2296.27,933.13 2302.62,933.13 2315.22,920.53 2315.22,910.83 2311.22,906.83 U38.F3@2300.04,906.83
DDR1_DQS1_N: U8.AL6 U38.B7 | length 469.3
  TOP w4.5: U8.AL6@1827.89,1222.09 1843.8,1238 1945.85,1238 2054,1129.83 2054,1098.84 2136.22,1016.63 2157.88,1016.63 U38.B7@2174.06,1032.81
DDR1_DQS1_P: U8.AM6 U38.C7 | length 469.3
  TOP w4.5: U8.AM6@1859.39,1222.09 1864.8,1227.5 1941.5,1227.5 2043.5,1125.48 2043.5,1094.49 2131.86,1006.13 2162.23,1006.13 2172.1,1016 2188.74,1016 U38.C7@2205.55,1032.81
DDR1_DQS2_N: U8.AM11 U39.G3 | length 569.5
  TOP w4.5: U8.AM11@1859.39,1379.57 1868.58,1379.57 1884.01,1395 1905,1395 1916,1406 2024.84,1406 2124.85,1506 2315.85,1506 2331.54,1490.31 U39.G3@2331.54,1451.83
DDR1_DQS2_P: U8.AN11 U39.F3 | length 566.3
  TOP w4.5: U8.AN11@1890.89,1379.57 1895.82,1384.5 1909.35,1384.5 1920.35,1395.5 2029.19,1395.5 2129.2,1495.5 2139.22,1495.5 2147.72,1487 2157.22,1487 2165.72,1495.5 2175.22,1495.5 2183.72,1487 2193.22,1487 2201.72,1495.5 2211.22,1495.5 2219.72,1487 2229.22,1487 2237.72,1495.5 2247.22,1495.5 2255.72,1487 2265.22,1487 2273.72,1495.5 2280.79,1495.5 2289.04,1487.25 2298.04,1487.25 2306.29,1495.5 2311.5,1495.5 2321.04,1485.96 2321.04,1462.04 2310.83,1451.83 U39.F3@2300.04,1451.83
DDR1_DQS3_N: U8.AL12 U39.B7 | length 428.7
  TOP w4.5: U8.AL12@1827.89,1411.07 1843.64,1426.82 1869.46,1426.82 1879.15,1436.51 2012.37,1436.51 2110.39,1534.53 2153.77,1534.53 2174.06,1554.82 U39.B7@2174.06,1577.81